# KiCad board Env-KB60MXHS.kicad_pcb (continued)
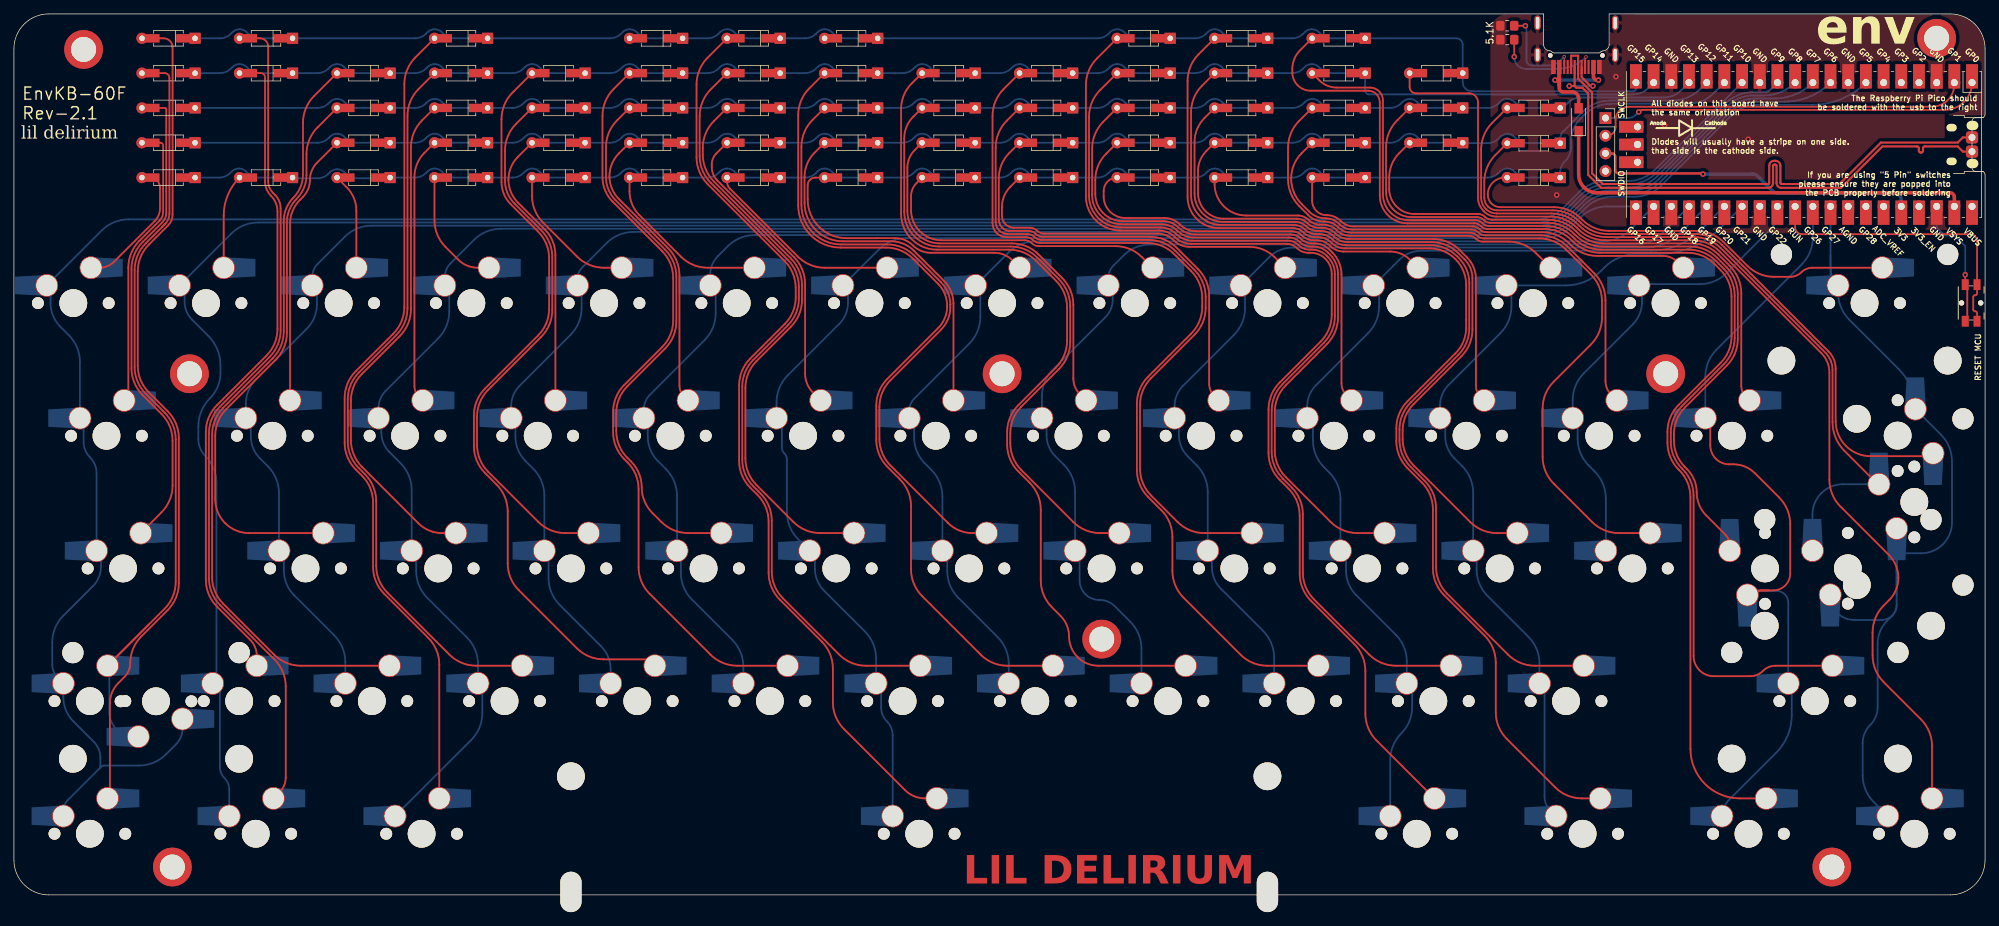
[diagram p0: board, top side]
## Routing (per net, layer and track width the routed paths; a pad name or vN(x,y) marks a point on that pad's centre or on a via; arc(x,y) is an arc through that point) (continued)
Net-(D_33-A): length 78.5
  Top w0.25: K_34.2 96.81,51.95 arc(94.72,52.37) 92.96,53.55 91.66,54.85 arc(90.53,56.54) 90.13,58.54 arc(89.73,60.54) 88.6,62.23 88.07,62.76 arc(86.89,64.53) 86.48,66.61 86.48,69.19 arc(86.89,71.27) 88.07,73.04 93.51,78.47 arc(94.69,80.24) 95.1,82.32 95.1,88.78 arc(94.69,90.86) 93.51,92.63 86.37,99.76 arc(85.36,101.28) 85,103.08 85,107.37 arc(85.41,109.45) 86.59,111.21 D_33.2
Net-(D_34-A): length 80.7
  Top w0.25: D_34.2 100.49,111.11 arc(99.31,109.35) 98.9,107.27 98.9,106.29 arc(99.31,104.21) 100.49,102.44 111.55,91.39 arc(112.73,89.62) 113.14,87.54 113.14,85.43 arc(112.73,83.35) 111.55,81.58 106.61,76.64 arc(105.43,74.88) 105.02,72.79 105.02,62.7 arc(105.43,60.61) 106.61,58.85 111.91,53.55 arc(113.68,52.37) 115.76,51.95 K_35.2
Net-(D_35-A): length 88.8
  Top w0.25: K_36.2 137.6,51.95 arc(135.71,52.33) 134.11,53.4 125.85,61.66 arc(124.67,63.42) 124.26,65.51 124.26,70.06 arc(124.67,72.15) 125.85,73.91 133.11,81.18 arc(134.1,82.64) 134.44,84.37 134.44,84.76 arc(134.1,86.48) 133.12,87.94 129.25,91.81 arc(127.49,92.99) 125.41,93.4 118.76,93.4 arc(114.73,95.07) 113.06,99.1 113.06,107.42 arc(113.47,109.51) 114.65,111.27 D_35.2
Net-(D_36-A): length 91.5
  Top w0.25: D_36.2 129.1,111.72 arc(128.16,110.31) 127.82,108.63 127.82,98.09 arc(129.28,94.56) 132.81,93.1 143.08,93.1 arc(145.16,92.69) 146.93,91.51 150.06,88.38 arc(151.24,86.61) 151.65,84.53 151.65,79.38 arc(151.24,77.3) 150.06,75.54 144.64,70.12 arc(143.46,68.36) 143.05,66.28 143.05,64.84 arc(143.46,62.76) 144.64,60.99 152.09,53.55 arc(153.85,52.37) 155.93,51.95 K_37.2
Net-(D_37-A): length 102
  Top w0.25: D_37.2 142.54,111.16 arc(141.36,109.4) 140.95,107.32 140.95,96.65 arc(141.46,95.41) 142.7,94.9 145.48,94.9 arc(146.04,94.79) 146.51,94.48 arc(146.98,94.16) 147.53,94.05 162.92,94.05 arc(165,93.64) 166.77,92.46 169.51,89.72 arc(170.69,87.95) 171.1,85.87 171.1,84.29 arc(170.69,82.21) 169.51,80.45 163.27,74.21 arc(162.09,72.44) 161.67,70.36 161.67,61.19 arc(162.09,59.11) 163.27,57.34 167.06,53.55 arc(168.83,52.37) 170.91,51.95 K_38.2
Net-(D_38-A): length 104.8
  Top w0.25: K_39.2 192.9,51.95 arc(190.81,52.37) 189.05,53.55 182.62,59.98 arc(181.44,61.74) 181.02,63.83 181.02,69.35 arc(181.44,71.43) 182.62,73.2 188.51,79.08 arc(189.69,80.85) 190.1,82.93 190.1,89.16 arc(189.8,90.67) 188.94,91.95 188.69,92.21 arc(187.69,92.87) 186.52,93.1 186.17,93.1 arc(185.32,93.27) 184.6,93.75 arc(183.88,94.23) 183.03,94.4 169.34,94.4 arc(168.1,94.65) 167.05,95.35 arc(166,96.05) 164.76,96.3 159,96.3 arc(156.03,97.53) 154.8,100.5 154.8,107.17 arc(155.21,109.25) 156.39,111.01 D_38.2
Net-(D_39-A): length 108.6
  Top w0.25: K_40.2 212.92,51.95 arc(210.84,52.37) 209.07,53.55 200.97,61.65 arc(199.79,63.42) 199.37,65.5 199.37,66.65 arc(199.79,68.73) 200.97,70.5 207.81,77.33 arc(208.99,79.1) 209.4,81.18 209.4,88.53 arc(209.11,90) 208.27,91.25 207.36,92.17 arc(205.63,93.32) 203.58,93.73 191.49,93.73 arc(190.43,93.94) 189.53,94.54 arc(188.63,95.14) 187.57,95.35 187.1,95.35 arc(186.25,95.52) 185.53,96 arc(184.81,96.48) 183.96,96.65 173.55,96.65 arc(170.69,97.84) 169.5,100.7 169.5,108.08 arc(169.87,109.96) 170.94,111.56 D_39.2
Net-(D_40-A): length 111.4
  Top w0.25: K_41.2 230.42,51.95 arc(228.34,52.37) 226.58,53.55 221.07,59.06 arc(219.89,60.82) 219.48,62.9 219.48,69.85 arc(219.89,71.93) 221.07,73.69 226.41,79.03 arc(227.59,80.8) 228,82.88 228,85.25 arc(227.59,87.33) 226.41,89.1 222.85,92.66 arc(221.08,93.84) 219,94.25 211.08,94.25 arc(210.54,94.36) 210.09,94.66 arc(209.63,94.97) 209.09,95.08 192.05,95.08 arc(190.99,95.29) 190.09,95.89 arc(189.19,96.49) 188.13,96.7 188.01,96.7 arc(186.84,96.93) 185.84,97.6 184.52,98.92 arc(183.34,100.69) 182.93,102.77 182.93,107.29 arc(183.34,109.37) 184.52,111.14 D_40.2
Net-(D_41-A): length 112.5
  Top w0.25: D_41.2 198.59,111.21 arc(197.41,109.45) 197,107.37 197,100.96 arc(198.06,98.39) 200.63,97.33 210.02,97.33 arc(210.56,97.22) 211.02,96.91 arc(211.47,96.61) 212.01,96.5 220.17,96.5 arc(222.25,96.09) 224.01,94.91 224.23,94.7 arc(225.99,93.52) 228.07,93.1 240.67,93.1 arc(242.75,92.69) 244.51,91.51 245.91,90.12 arc(247.09,88.35) 247.5,86.27 247.5,79.83 arc(247.09,77.75) 245.91,75.98 239.92,70 arc(238.74,68.23) 238.32,66.15 238.32,65.28 arc(238.74,63.19) 239.92,61.43 240.22,61.12 arc(241.24,59.6) 241.6,57.8 arc(241.96,56) 242.98,54.47 245.73,51.72 arc(246.18,51.05) 246.33,50.27
Net-(D_42-A): length 111.3
  Top w0.25: 267.6,58.97 262.81,63.76 arc(261.54,65.65) 261.1,67.88 261.1,75.39 arc(260.83,76.72) 260.08,77.85 245.07,92.86 arc(243.31,94.04) 241.22,94.45 228.63,94.45 arc(226.55,94.87) 224.78,96.04 224.57,96.26 arc(222.81,97.43) 220.73,97.85 212.86,97.85 arc(212.05,98.01) 211.37,98.46 211.32,98.52 arc(210.82,99.26) 210.65,100.13 210.65,107.02 arc(211.06,109.1) 212.24,110.86 D_42.2
  Bottom w0.25: K_29.2 258.22,54.6 arc(258.55,56.27) 259.5,57.69 arc(260.91,58.63) 262.58,58.97 K_43.2
Net-(D_43-A): length 116.2
  Top w0.25: 21.73,96.37 21.25,95.89 ; 21.25,95.89 21.71,96.35 arc(22.17,97.03) 22.33,97.83 22.33,117.3 arc(22.12,117.79) 21.62,118 D_43.2 ; 21.25,95.89 18.92,93.56 arc(17.74,91.79) 17.33,89.71 17.33,75.81 arc(17.74,73.73) 18.92,71.97 21.63,69.25 arc(22.81,67.49) 23.23,65.41 23.23,44.94 arc(22.81,42.86) 21.63,41.09 19.36,38.81 ; 19.36,38.81 14.2,33.66 ; 19.36,38.81 K_45.2
  Bottom w0.25: K_44.2 17.25,22.72 arc(14.74,23.76) 13.7,26.28 13.7,32.65 arc(13.63,32.83) K_45.2
Net-(D_44-A): length 93
  Top w0.25: D_44.2 35.45,118 arc(35.87,117.82) 36.05,117.4 36.05,117.2 36.05,117.2 36.05,102.46 arc(36.27,101.34) 36.9,100.4 arc(37.6,99.36) 37.84,98.13 37.84,81.27 arc(37.43,79.19) 36.25,77.42 29.14,70.32 arc(27.96,68.55) 27.55,66.47 27.55,45.25 arc(27.96,43.17) 29.14,41.41 33.9,36.65 arc(34.62,35.57) 34.88,34.29
Net-(D_45-A): length 110.3
  Top w0.25: D_45.2 43.09,114.71 arc(41.91,112.95) 41.5,110.87 41.5,103.45 arc(41.14,101.65) 40.12,100.12 arc(39.1,98.59) 38.74,96.79 38.74,80.9 arc(38.33,78.82) 37.15,77.05 30.04,69.95 arc(28.86,68.18) 28.45,66.1 28.45,45.65 arc(28.86,43.57) 30.04,41.81 37.35,34.5 arc(39.12,33.32) 41.2,32.91 K_47.2
Net-(D_46-A): length 104.2
  Top w0.25: K_48.2 66.37,32.91 arc(64.29,33.32) 62.53,34.5 53.6,43.42 arc(52.42,45.19) 52.01,47.27 52.01,56.53 arc(51.6,58.61) 50.42,60.38 49.52,61.27 arc(48.34,63.04) 47.93,65.12 47.93,71.16 arc(48.34,73.24) 49.52,75.01 54.91,80.39 arc(56.09,82.16) 56.5,84.24 56.5,111.87 arc(56.91,113.95) 58.09,115.71 D_46.2
Net-(D_47-A): length 106.7
  Top w0.25: D_47.2 71.59,115.21 arc(70.41,113.45) 70,111.37 70,102.37 arc(70.34,100.64) 71.32,99.18 75.25,95.25 arc(76.43,93.49) 76.84,91.41 76.84,84.16 arc(76.43,82.08) 75.25,80.32 67.63,72.7 arc(66.45,70.94) 66.04,68.86 66.04,64.42 arc(66.45,62.34) 67.63,60.58 69.3,58.91 arc(70.48,57.15) 70.89,55.07 70.89,47.59 arc(71.3,45.51) 72.48,43.75 80.81,35.42 arc(82.58,34.24) 84.66,33.82 91.11,33.82
Net-(D_48-A): length 108.3
  Top w0.25: D_48.2 86.09,115.71 arc(84.91,113.95) 84.5,111.87 84.5,103.05 arc(84.88,101.16) 85.95,99.55 93.06,92.44 arc(94.24,90.68) 94.65,88.6 94.65,82.51 arc(94.24,80.42) 93.06,78.66 87.62,73.22 arc(86.44,71.46) 86.03,69.37 86.03,66.43 arc(86.44,64.34) 87.62,62.58 88.09,62.11 arc(89.27,60.35) 89.68,58.26 89.68,47.07 arc(90.1,44.99) 91.27,43.23 100,34.5 arc(101.77,33.32) 103.85,32.91 K_50.2
Net-(D_49-A): length 110.4
  Top w0.25: K_51.2 122.34,32.91 arc(120.26,33.32) 118.49,34.5 110.39,42.6 arc(109.21,44.36) 108.8,46.44 108.8,53.77 arc(108.39,55.85) 107.21,57.62 106.16,58.66 arc(104.98,60.43) 104.57,62.51 104.57,72.98 arc(104.98,75.06) 106.16,76.83 111.1,81.77 arc(112.28,83.53) 112.69,85.62 112.69,87.35 arc(112.28,89.43) 111.1,91.2 100.04,102.26 arc(98.86,104.02) 98.45,106.1 98.45,111.82 arc(98.86,113.9) 100.04,115.66 D_49.2
Net-(D_50-A): length 119.5
  Top w0.25: K_52.2 142.64,32.91 arc(140.56,33.32) 138.79,34.5 130.39,42.9 arc(129.21,44.67) 128.8,46.75 128.8,55.82 arc(128.38,57.9) 127.2,59.67 125.4,61.47 arc(124.22,63.24) 123.81,65.32 123.81,70.25 arc(124.22,72.33) 125.4,74.1 132.66,81.36 arc(133.65,82.83) 133.99,84.56 arc(133.65,86.29) 132.66,87.76 129.07,91.36 arc(127.3,92.54) 125.22,92.95 118.68,92.95 arc(114.38,94.73) 112.6,99.03 112.6,111.97 arc(113.01,114.05) 114.19,115.81 D_50.2
Net-(D_51-A): length 124.6
  Top w0.25: D_51.2 128.88,116.5 arc(127.76,114.83) 127.37,112.87 127.37,97.8 arc(128.88,94.16) 132.52,92.65 142.89,92.65 arc(144.98,92.24) 146.74,91.06 149.61,88.19 arc(150.79,86.43) 151.2,84.35 151.2,79.57 arc(150.79,77.49) 149.61,75.72 144.19,70.31 arc(143.01,68.54) 142.6,66.46 142.6,64.65 arc(143.01,62.57) 144.19,60.81 145.83,59.17 arc(147.01,57.4) 147.43,55.32 147.43,45.15 arc(147.84,43.07) 149.02,41.31 150.26,40.07 arc(151.17,38.71) 151.49,37.1 arc(151.81,35.49) 152.72,34.13 arc(154.08,33.22) 155.68,32.91 K_53.2
Net-(D_52-A): length 130.2
  Top w0.25: D_52.2 142.09,115.71 arc(140.91,113.95) 140.5,111.87 140.5,96.45 arc(141.09,95.04) 142.5,94.45 145.29,94.45 arc(145.85,94.34) 146.32,94.03 arc(146.79,93.71) 147.34,93.6 162.73,93.6 arc(164.82,93.19) 166.58,92.01 169.01,89.58 arc(170.19,87.82) 170.6,85.74 170.6,84.43 arc(170.19,82.35) 169.01,80.58 162.82,74.39 arc(161.64,72.63) 161.22,70.55 161.22,61 arc(161.64,58.92) 162.82,57.16 164.73,55.24 arc(165.91,53.48) 166.32,51.4 166.32,46.53 arc(166.74,44.45) 167.92,42.68 176.1,34.5 arc(177.87,33.32) 179.95,32.91 K_54.2
Net-(D_53-A): length 135
  Top w0.25: D_53.2 155.94,115.56 arc(154.76,113.8) 154.35,111.72 154.35,100.42 arc(155.69,97.19) 158.92,95.85 164.58,95.85 arc(165.82,95.6) 166.87,94.9 arc(167.92,94.2) 169.15,93.95 182.85,93.95 arc(183.69,93.78) 184.41,93.3 arc(185.13,92.82) 185.98,92.65 186.33,92.65 arc(187.51,92.42) 188.5,91.76 188.63,91.63 arc(189.38,90.5) 189.65,89.16 189.65,83.12 arc(189.24,81.04) 188.06,79.27 182.17,73.38 arc(180.99,71.62) 180.57,69.53 180.57,63.64 arc(180.99,61.56) 182.17,59.79 183.46,58.5 arc(184.64,56.74) 185.05,54.66 185.05,46.29 arc(185.46,44.21) 186.64,42.44 194.59,34.5 arc(196.35,33.32) 198.43,32.91 K_55.2
Net-(D_54-A): length 139
  Top w0.25: D_54.2 170.59,116.21 arc(169.41,114.45) 169,112.37 169,100.51 arc(170.26,97.46) 173.31,96.2 183.78,96.2 arc(184.63,96.03) 185.34,95.55 arc(186.06,95.07) 186.91,94.9 187.39,94.9 arc(188.45,94.69) 189.34,94.09 arc(190.24,93.49) 191.3,93.28 203.4,93.28 arc(205.44,92.87) 207.17,91.72 207.48,91.41 arc(208.57,89.78) 208.95,87.86 208.95,81.37 arc(208.54,79.29) 207.36,77.52 200.52,70.68 arc(199.34,68.92) 198.92,66.83 198.92,65.32 arc(199.34,63.23) 200.52,61.47 202.58,59.4 arc(203.76,57.64) 204.17,55.56 204.17,47.09 arc(204.59,45.01) 205.77,43.24 214.51,34.5 arc(216.28,33.32) 218.36,32.91 K_56.2
Net-(D_55-A): length 160.8
  Top w0.25: D_55.2 187.42,116.96 arc(188.57,116.19) 189.92,115.92 194.69,115.92 arc(196.01,115.38) 196.55,114.07 196.55,100.61 arc(197.64,97.97) 200.28,96.88 209.83,96.88 arc(210.37,96.77) 210.83,96.46 arc(211.29,96.16) 211.83,96.05 219.98,96.05 arc(222.06,95.64) 223.83,94.46 224.04,94.25 arc(225.8,93.07) 227.89,92.65 240.48,92.65 arc(242.56,92.24) 244.33,91.06 245.46,89.93 arc(246.64,88.16) 247.05,86.08 247.05,80.02 arc(246.64,77.94) 245.46,76.17 239.47,70.18 arc(238.29,68.42) 237.88,66.34 237.88,65.09 arc(238.29,63.01) 239.47,61.24 239.56,61.15 arc(240.74,59.39) 241.15,57.31 241.15,34.3 arc(241.37,33.19) 242,32.25 arc(242.94,31.62) 244.05,31.4 249.29,31.4 arc(250.27,31.6) 251.1,32.15 arc(251.94,32.71) 252.92,32.91 K_57.2
Net-(D_56-A): length 119.2
  Top w0.25: D_56.2 21.49,123 arc(22.4,122.62) 22.78,121.71 22.78,97.67 arc(22.61,96.84) 22.14,96.14 19.37,93.37 arc(18.19,91.6) 17.78,89.52 17.78,76 arc(18.19,73.92) 19.37,72.15 22.08,69.44 arc(23.26,67.68) 23.67,65.59 23.67,44.75 arc(23.26,42.67) 22.08,40.9 18.29,37.11 arc(17.11,35.35) 16.7,33.28 arc(16.49,32.21) 15.89,31.31 14.97,30.4 arc(14.09,29.07) 13.78,27.5 13.78,14.18 arc(13.68,13.95) K_58.2
Net-(D_57-A): length 119.5
  Top w0.25: D_57.2 35.31,123 arc(36.15,122.65) 36.5,121.81 36.5,102.5 arc(36.68,101.58) 37.21,100.79 37.5,100.5 arc(38.08,99.62) 38.29,98.59 38.29,81.08 arc(37.88,79) 36.7,77.24 29.59,70.13 arc(28.41,68.37) 28,66.28 28,45.45 arc(28.41,43.37) 29.59,41.61 37.43,33.77 arc(38.61,32) 39.03,29.92 39.03,16.87 arc(38.8,15.72) 38.14,14.74
Net-(D_58-A): length 118.5
  Top w0.25: K_60.2 61.07,33.06 arc(60.66,35.15) 59.48,36.91 53.15,43.24 arc(51.97,45) 51.56,47.08 51.56,56.35 arc(51.15,58.43) 49.97,60.19 49.07,61.09 arc(47.89,62.85) 47.48,64.93 47.48,71.35 arc(47.89,73.43) 49.07,75.19 54.46,80.58 arc(55.64,82.34) 56.05,84.42 56.05,116.42 arc(56.46,118.5) 57.64,120.26 D_58.2
Net-(D_59-A): length 131.5
  Top w0.25: D_59.2 99.59,120.21 arc(98.41,118.45) 98,116.37 98,105.92 arc(98.41,103.83) 99.59,102.07 110.65,91.01 arc(111.83,89.25) 112.24,87.17 112.24,85.8 arc(111.83,83.72) 110.65,81.95 105.71,77.01 arc(104.53,75.25) 104.12,73.17 104.12,62.32 arc(104.53,60.24) 105.71,58.48 106.76,57.43 arc(107.94,55.66) 108.35,53.58 108.35,46.26 arc(108.77,44.17) 109.94,42.41 115.98,36.37 arc(117.16,34.61) 117.57,32.53 117.57,27.66 arc(117.99,25.58) 119.17,23.81 127.93,15.05 arc(129.25,14.17) 130.82,13.85 K_61.2
Net-(D_60-A): length 152.3
  Top w0.25: K_62.2 195.62,22.18 arc(194.44,23.95) 194.02,26.03 194.02,32.17 arc(193.61,34.25) 192.43,36.02 186.19,42.26 arc(185.01,44.02) 184.6,46.1 184.6,54.47 arc(184.19,56.55) 183.01,58.32 181.72,59.61 arc(180.54,61.37) 180.12,63.45 180.12,69.72 arc(180.54,71.8) 181.72,73.57 187.61,79.46 arc(188.79,81.22) 189.2,83.3 189.2,89.16 arc(188.97,90.33) 188.31,91.31 arc(187.32,91.97) 186.16,92.2 185.8,92.2 arc(184.95,92.37) 184.23,92.85 arc(183.51,93.34) 182.66,93.5 168.97,93.5 arc(167.73,93.75) 166.68,94.45 arc(165.63,95.15) 164.39,95.4 158.82,95.4 arc(155.34,96.84) 153.9,100.32 153.9,116.27 arc(154.31,118.35) 155.49,120.11 D_60.2
Net-(D_61-A): length 161.5
  Top w0.25: D_61.2 170.09,120.71 arc(168.91,118.95) 168.5,116.87 168.5,100.23 arc(169.81,97.06) 172.98,95.75 183.59,95.75 arc(184.44,95.58) 185.16,95.1 arc(185.88,94.62) 186.73,94.45 187.2,94.45 arc(188.26,94.24) 189.16,93.64 arc(190.06,93.04) 191.12,92.83 203.25,92.83 arc(205.26,92.43) 206.96,91.29 arc(208.1,89.59) 208.5,87.58 208.5,82.55 208.5,81.45 arc(208.11,79.46) 206.98,77.78 200.07,70.87 arc(198.89,69.1) 198.48,67.02 198.48,65.13 arc(198.89,63.05) 200.07,61.28 202.13,59.22 arc(203.31,57.45) 203.73,55.37 203.73,46.9 arc(204.14,44.82) 205.32,43.06 211.16,37.22 arc(212.34,35.45) 212.75,33.37 212.75,26.23 arc(213.16,24.15) 214.34,22.38 221.28,15.45 arc(223.04,14.27) 225.12,13.85 K_63.2
Net-(D_62-A): length 175.8
  Top w0.25: D_62.2 184.65,121.27 arc(183.83,120.04) 183.54,118.59 183.54,118.11 arc(183.74,117.1) 184.31,116.25 arc(185.17,115.68) 186.18,115.48 194.43,115.48 arc(195.61,114.99) 196.1,113.81 196.1,100.43 arc(197.27,97.6) 200.1,96.43 209.65,96.43 arc(210.19,96.32) 210.64,96.01 arc(211.1,95.71) 211.64,95.6 219.8,95.6 arc(221.88,95.19) 223.64,94.01 223.85,93.8 arc(225.62,92.62) 227.7,92.2 240.29,92.2 arc(242.38,91.79) 244.14,90.61 245.01,89.74 arc(246.19,87.98) 246.6,85.9 246.6,80.2 arc(246.19,78.12) 245.01,76.36 238.99,70.34 arc(237.81,68.58) 237.4,66.5 237.4,64.93 arc(237.81,62.85) 238.99,61.08 239.11,60.97 arc(240.29,59.2) 240.7,57.12 240.7,20.95 arc(242.78,15.93) 247.8,13.85 K_64.2
Net-(D_63-A): length 157.1
  Top w0.25: K_65.2 275.38,21.36 arc(274.97,23.44) 273.79,25.21 268.44,30.56 arc(267.26,32.32) 266.85,34.4 266.85,37.7 arc(267.26,39.78) 268.44,41.54 269.21,42.31 arc(270.2,43.79) 270.55,45.55 arc(270.2,47.31) 269.21,48.79 262.24,55.76 arc(261.06,57.52) 260.65,59.6 260.65,75 arc(260.35,76.52) 259.49,77.8 244.89,92.41 arc(243.12,93.59) 241.04,94 228.45,94 arc(226.36,94.42) 224.6,95.6 224.39,95.81 arc(222.62,96.99) 220.54,97.4 212.85,97.4 arc(211.88,97.59) 211.06,98.14 211,98.2 arc(210.41,99.09) 210.2,100.13 210.2,113.8 arc(209.82,114.72) 208.9,115.1 201.3,115.1 arc(200.65,115.37) 200.38,116.02 D_63.2
Net-(J1-Pin_3): length 47.5
  Top w0.35: J1.3 229.43,106.47 arc(229.76,106.33) 229.9,106 229.9,104.1 arc(230.05,103.75) 230.4,103.6 242.4,103.6 v1(242.5,103.5)
  Bottom w0.5: v1(242.5,103.5) 249.64,103.5 arc(250.03,103.42) 250.35,103.21 252.46,101.09 arc(252.79,100.88) 253.17,100.8 269.97,100.8 arc(270.68,100.51) 270.97,99.8 U1.36
Net-(USB1-CC1): length 15.2
  Top w0.15: 225.57,119.34 225.57,120 arc(225.59,120.08) 225.64,120.15 225.66,120.17 arc(225.69,120.22) 225.7,120.27 v2(225.7,120.33)
  Top w0.25: v1(215.4,120.35) 5.1K1.1
  Bottom w0.25: v1(215.4,120.35) 215.4,120.3 arc(215.89,119.1) 217.09,118.61 221.56,118.61 arc(223.8,119.06) v2(225.7,120.33)
Net-(USB1-CC2): length 13.9
  Top w0.15: v2(222.58,120.36) 222.58,120.36 arc(222.58,120.35) 222.57,120.35 222.57,119.34
  Top w0.25: v1(217,124.8) 5.1K2.2
  Bottom w0.25: v2(222.58,120.36) 221.95,119.73 arc(221.26,119.27) 220.45,119.11 217.89,119.11 arc(217.37,119.33) 217.15,119.85 217.15,124.65 arc(217.11,124.76) v1(217,124.8)

## Copper pours and planes (outline as drawn; the poured copper is in the pictures)
GND on Top, Bottom: 212,128.5 284.5,128.5 284.5,95 212,95

## Text on the board
B.Silkscreen: https://github.com/Envious-Data/Env-KB60F / Version: 2.1 | Parts Needed: / 70x 1n4148 Diodes / 2x  5.1K 0805 resistors / 70x switches / 7x  2u MX stabilizers (or 1x6.25u + 4x 2u stabs) / 1x  Raspberry Pi Pico / 2x  1x20 Male and/or female headers / 10x M2 mounting hardware. / 1x Type-C-31-M-14 | http://github.com/envious-data/env-kb60f | Don't forget to solder these two pads to make the top USB port work.
Top: LIL DELIRIUM
F.Mask: <>< fish!
F.Silkscreen: All diodes on this board have / the same orientation | Diodes will usually have a stripe on one side. / that side is the cathode side. | If you are using "5 Pin" switches / please ensure they are popped into / the PCB properly before soldering | The Raspberry Pi Pico should / be soldered with the usb to the right | RESET MCU | 5.1K | EnvKB-60F / Rev-2.1 | env | lil delirium
